# Altium PCB PCB_REV1.PcbDoc (part 2 of 2) (continued)
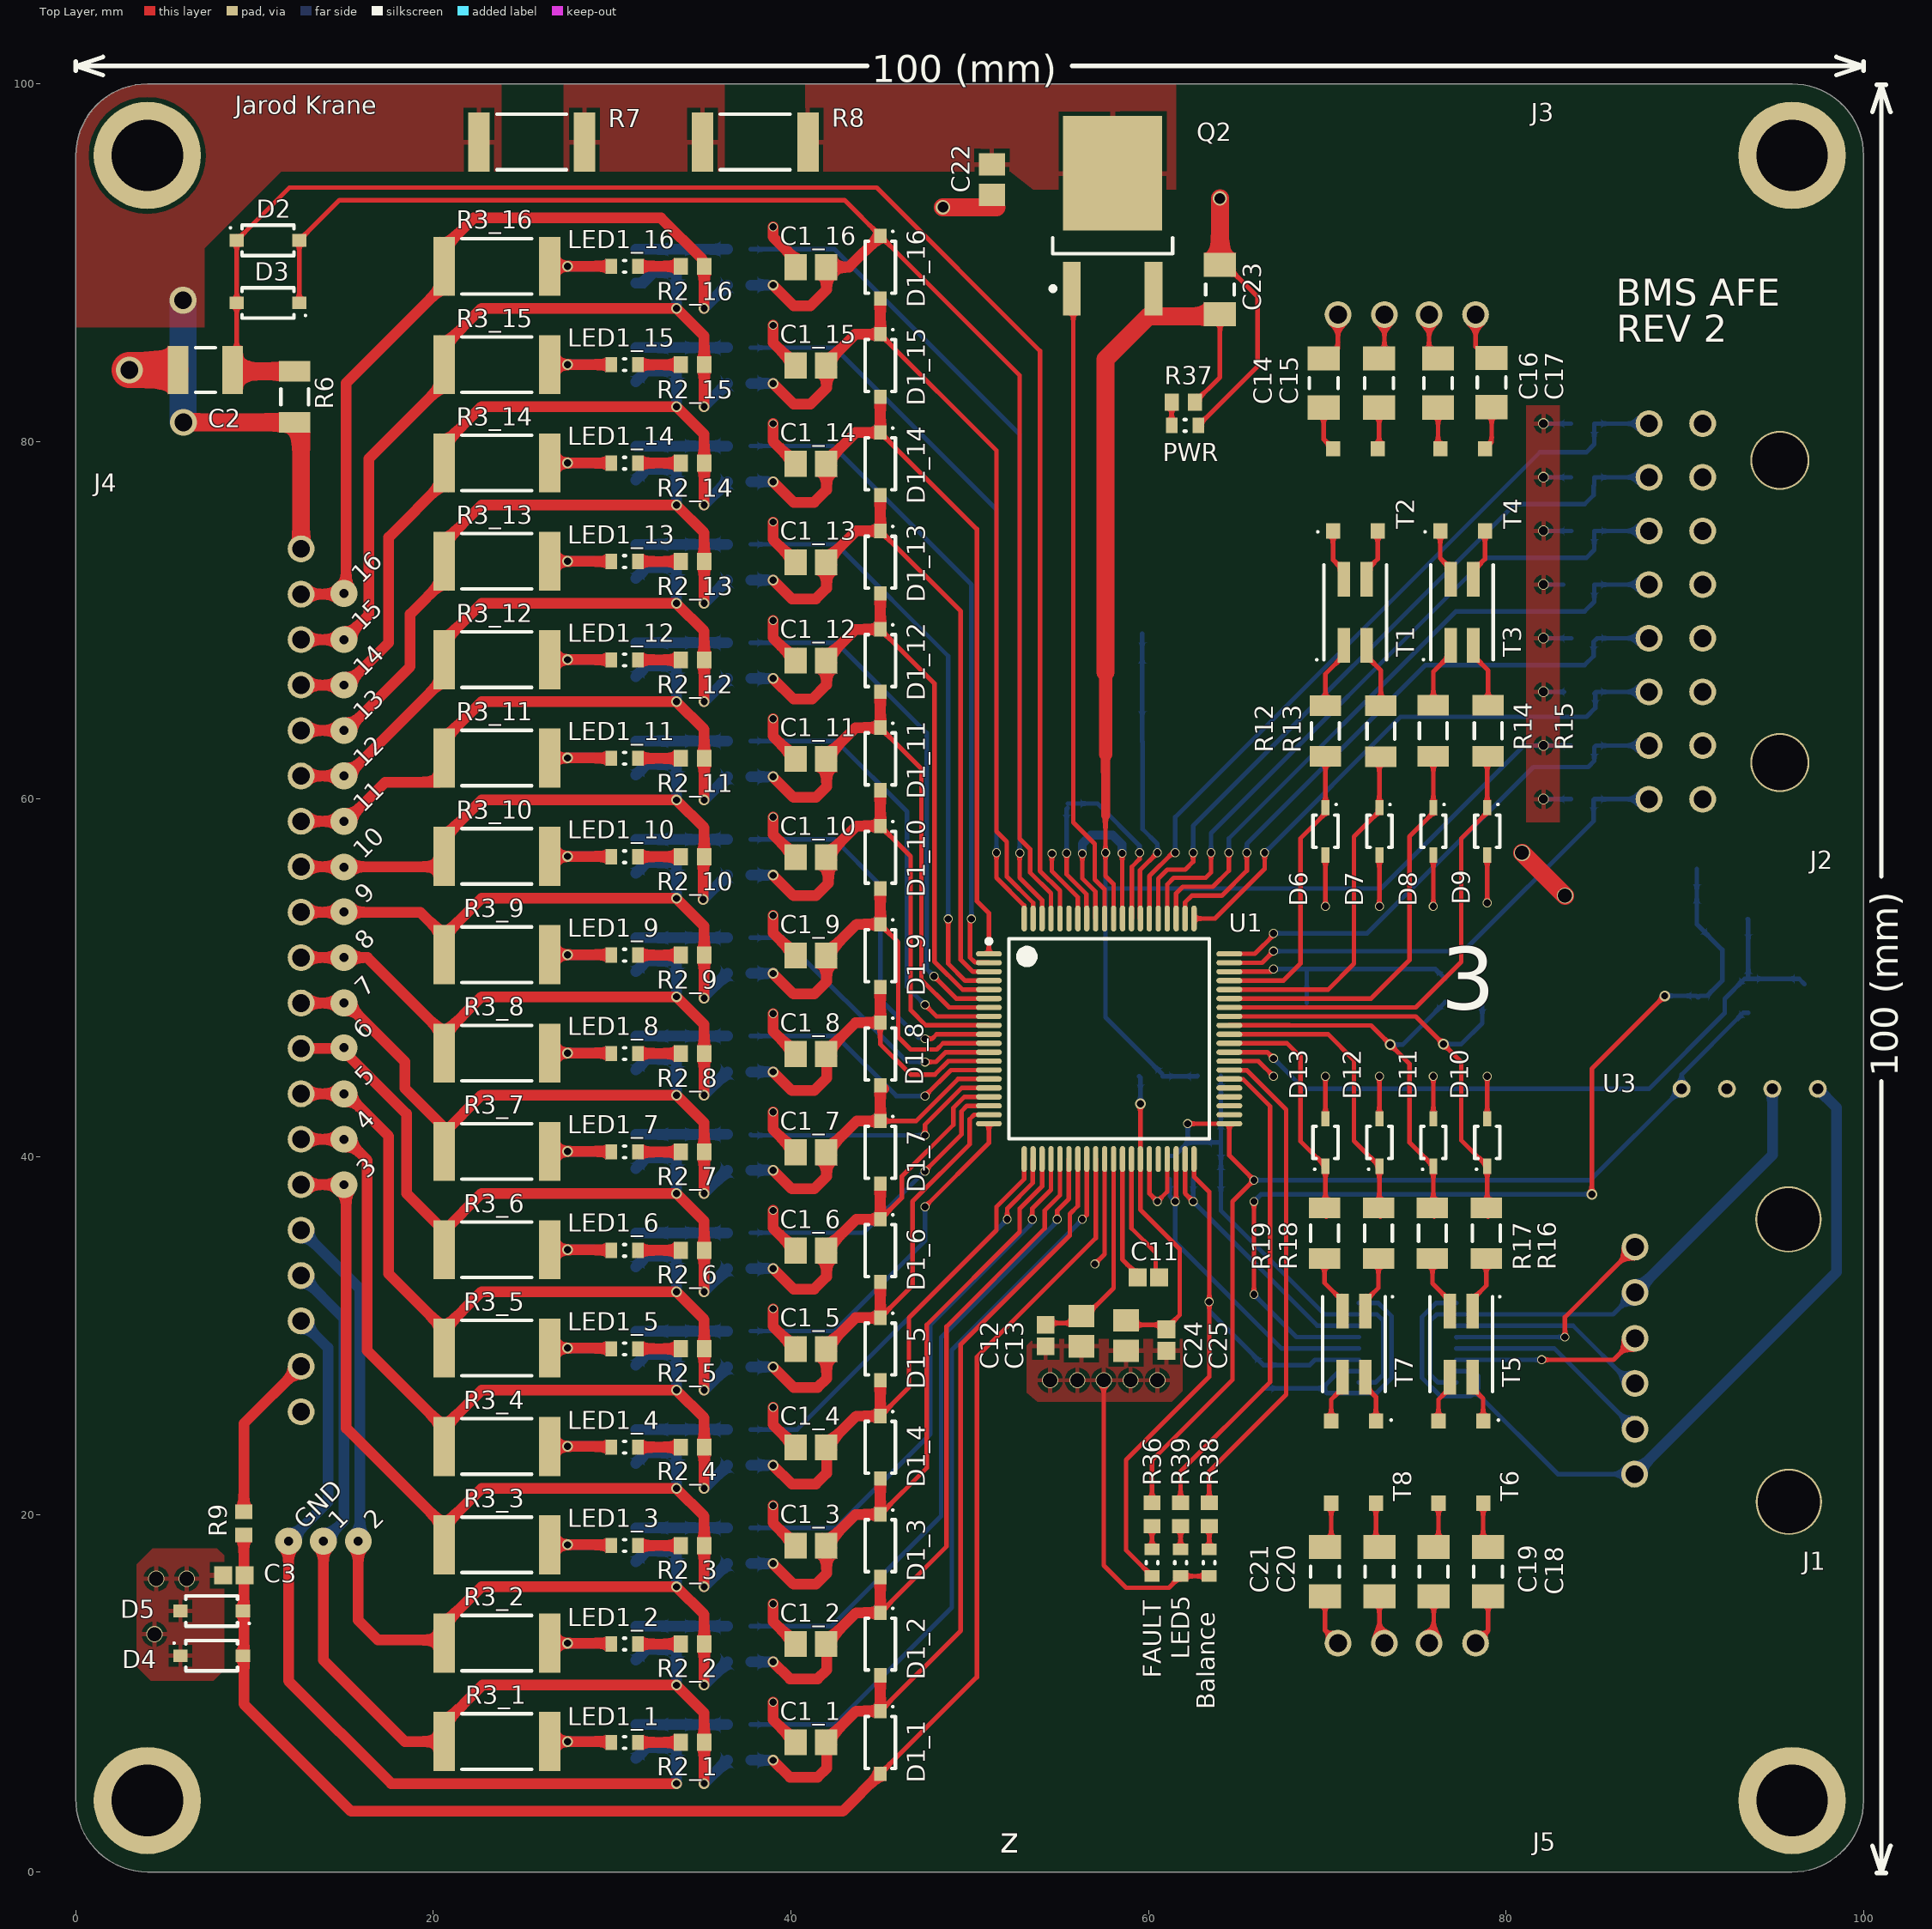
[diagram p0: Top Layer view]
## Nets (pads, with @x,y where several pads share a name; then routed paths per layer and width w, separated by ;. In a path a pad name is that pad's centre, name@x,y a point inside that pad or via, vN(x,y) a via of type N, cw(c..) or ccw(c..) an arc to the next point about the centre after c; other vN are vias at no path point) (continued)
  Bottom Layer w0.6: v1(27.5,40.3) Q1_7.3@28.925,40.3
NetLED1_8_1: LED1_8.1 R2_8.1 | length 2.4
  Top Layer w0.6: LED1_8.1@31.45,45.773 R2_8.1@33.85,45.773
NetLED1_8_2: LED1_8.2 Q1_8.3 R3_8.2 | length 4.9
  Top Layer w0.6: R3_8.2@26.5,45.8 29.925,45.8 LED1_8.2@29.95,45.773 LED1_8.2@29.95,45.75
  Bottom Layer w0.6: v1(27.5,45.8) Q1_8.3@28.925,45.8
NetLED1_9_1: LED1_9.1 R2_9.1 | length 2.4
  Top Layer w0.6: LED1_9.1@31.45,51.277 R2_9.1@33.85,51.277
NetLED1_9_2: LED1_9.2 Q1_9.3 R3_9.2 | length 4.9
  Top Layer w0.6: R3_9.2@26.5,51.3 29.925,51.3 LED1_9.2@29.95,51.277 LED1_9.2@29.95,51.25
  Bottom Layer w0.6: v1(27.5,51.3) Q1_9.3@28.925,51.3
NetLED1_10_1: LED1_10.1 R2_10.1 | length 2.4
  Top Layer w0.6: LED1_10.1@31.45,56.78 R2_10.1@33.85,56.78
NetLED1_10_2: LED1_10.2 Q1_10.3 R3_10.2 | length 4.9
  Top Layer w0.6: R3_10.2@26.5,56.8 29.925,56.8 29.95,56.775 LED1_10.2@29.95,56.75
  Bottom Layer w0.6: v1(27.5,56.8) Q1_10.3@28.925,56.8
NetLED1_11_1: LED1_11.1 R2_11.1 | length 2.4
  Top Layer w0.6: LED1_11.1@31.45,62.283 R2_11.1@33.85,62.283
NetLED1_11_2: LED1_11.2 Q1_11.3 R3_11.2 | length 4.9
  Top Layer w0.6: R3_11.2@26.5,62.3 v1(27.5,62.3) 29.925,62.3 29.95,62.275 LED1_11.2@29.95,62.25
  Bottom Layer w0.6: v1(27.5,62.3) Q1_11.3@28.925,62.3
NetLED1_12_1: LED1_12.1 R2_12.1 | length 2.4
  Top Layer w0.6: LED1_12.1@31.45,67.787 R2_12.1@33.85,67.787
NetLED1_12_2: LED1_12.2 Q1_12.3 R3_12.2 | length 4.9
  Top Layer w0.6: R3_12.2@26.5,67.8 29.925,67.8 29.95,67.775 LED1_12.2@29.95,67.75
  Bottom Layer w0.6: v1(27.5,67.8) Q1_12.3@28.925,67.8
NetLED1_13_1: LED1_13.1 R2_13.1 | length 2.4
  Top Layer w0.6: LED1_13.1@31.45,73.29 R2_13.1@33.85,73.29
NetLED1_13_2: LED1_13.2 Q1_13.3 R3_13.2 | length 4.9
  Top Layer w0.6: R3_13.2@26.5,73.3 29.925,73.3 29.95,73.275 LED1_13.2@29.95,73.25
  Bottom Layer w0.6: v1(27.5,73.3) Q1_13.3@28.925,73.3
NetLED1_14_1: LED1_14.1 R2_14.1 | length 2.4
  Top Layer w0.6: LED1_14.1@31.45,78.793 R2_14.1@33.85,78.793
NetLED1_14_2: LED1_14.2 Q1_14.3 R3_14.2 | length 4.9
  Top Layer w0.6: R3_14.2@26.5,78.8 29.925,78.8 29.95,78.775 LED1_14.2@29.95,78.75
  Bottom Layer w0.6: v1(27.5,78.8) Q1_14.3@28.925,78.8
NetLED1_15_1: LED1_15.1 R2_15.1 | length 2.4
  Top Layer w0.6: LED1_15.1@31.45,84.297 R2_15.1@33.85,84.297
NetLED1_15_2: LED1_15.2 Q1_15.3 R3_15.2 | length 4.9
  Top Layer w0.6: R3_15.2@26.5,84.3 29.925,84.3 29.95,84.275 LED1_15.2@29.95,84.233
  Bottom Layer w0.6: v1(27.5,84.3) Q1_15.3@28.925,84.3
NetLED1_16_1: LED1_16.1 R2_16.1 | length 2.4
  Top Layer w0.6: LED1_16.1@31.45,89.8 R2_16.1@33.85,89.8
NetLED1_16_2: LED1_16.2 Q1_16.3 R3_16.2 | length 4.9
  Top Layer w0.6: R3_16.2@26.5,89.8 29.925,89.8 29.95,89.775 LED1_16.2@29.95,89.75
  Bottom Layer w0.6: v1(27.5,89.8) Q1_16.3@28.925,89.8
NetLED2_1: FAULT.1 R36.1 | length 1.3
  Top Layer w0.254: FAULT.1@60.2,18.051 R36.1@60.2,19.35
NetLED3_1: PWR.1 R37.2 | length 1.3
  Top Layer w0.254: PWR.1@61.3,80.9 R37.2@61.3,82.2
NetLED4_1: Balance.1 R38.2 | length 1.3
  Top Layer w0.254: Balance.1@63.4,18.05 R38.2@63.4,19.35
NetLED5_1: LED5.1 R39.2 | length 1.3
  Top Layer w0.254: LED5.1@61.801,18.05 R39.2@61.8,19.35
NetQ1_1_1: Q1_1.1 R4_1.2 R5_1.2 | length 5.1
  Bottom Layer w0.6: Q1_1.1@31.325,8.25 R5_1.2@33.6,8.25 R4_1.2@36.45,8.25
NetQ1_2_1: Q1_2.1 R4_2.2 R5_2.2 | length 5.1
  Bottom Layer w0.6: Q1_2.1@31.325,13.75 R5_2.2@33.6,13.75 R4_2.2@36.45,13.75
NetQ1_3_1: Q1_3.1 R4_3.2 R5_3.2 | length 5.1
  Bottom Layer w0.6: Q1_3.1@31.325,19.25 R5_3.2@33.6,19.25 R4_3.2@36.45,19.25
NetQ1_4_1: Q1_4.1 R4_4.2 R5_4.2 | length 5.1
  Bottom Layer w0.6: Q1_4.1@31.325,24.75 R5_4.2@33.6,24.75 R4_4.2@36.45,24.75
NetQ1_5_1: Q1_5.1 R4_5.2 R5_5.2 | length 5.1
  Bottom Layer w0.6: Q1_5.1@31.325,30.25 R5_5.2@33.6,30.25 R4_5.2@36.45,30.25
NetQ1_6_1: Q1_6.1 R4_6.2 R5_6.2 | length 5.1
  Bottom Layer w0.6: Q1_6.1@31.325,35.75 R5_6.2@33.6,35.75 R4_6.2@36.45,35.75
NetQ1_7_1: Q1_7.1 R4_7.2 R5_7.2 | length 5.1
  Bottom Layer w0.6: Q1_7.1@31.325,41.25 R5_7.2@33.6,41.25 R4_7.2@36.45,41.25
NetQ1_8_1: Q1_8.1 R4_8.2 R5_8.2 | length 5.1
  Bottom Layer w0.6: Q1_8.1@31.325,46.75 R5_8.2@33.6,46.75 R4_8.2@36.45,46.75
NetQ1_9_1: Q1_9.1 R4_9.2 R5_9.2 | length 5.1
  Bottom Layer w0.6: Q1_9.1@31.325,52.25 R5_9.2@33.6,52.25 R4_9.2@36.45,52.25
NetQ1_10_1: Q1_10.1 R4_10.2 R5_10.2 | length 5.1
  Bottom Layer w0.6: Q1_10.1@31.325,57.75 R5_10.2@33.6,57.75 R4_10.2@36.45,57.75
NetQ1_11_1: Q1_11.1 R4_11.2 R5_11.2 | length 5.1
  Bottom Layer w0.6: Q1_11.1@31.325,63.25 R5_11.2@33.6,63.25 R4_11.2@36.45,63.25
NetQ1_12_1: Q1_12.1 R4_12.2 R5_12.2 | length 5.1
  Bottom Layer w0.6: Q1_12.1@31.325,68.75 R5_12.2@33.6,68.75 R4_12.2@36.45,68.75
NetQ1_13_1: Q1_13.1 R4_13.2 R5_13.2 | length 5.1
  Bottom Layer w0.6: Q1_13.1@31.325,74.25 R5_13.2@33.6,74.25 R4_13.2@36.45,74.25
NetQ1_14_1: Q1_14.1 R4_14.2 R5_14.2 | length 5.1
  Bottom Layer w0.6: Q1_14.1@31.325,79.75 R5_14.2@33.6,79.75 R4_14.2@36.45,79.75
NetQ1_15_1: Q1_15.1 R4_15.2 R5_15.2 | length 5.1
  Bottom Layer w0.6: Q1_15.1@31.325,85.25 R5_15.2@33.6,85.25 R4_15.2@36.45,85.25
NetQ1_16_1: Q1_16.1 R4_16.2 R5_16.2 | length 5.1
  Bottom Layer w0.6: Q1_16.1@31.325,90.75 R5_16.2@33.6,90.75 R4_16.2@36.45,90.75
NetR7_2: R7.2 R8.1
NetR12_2: R12.2 T1.1 | length 3.8
  Top Layer w0.254: R12.2@69.9,65.237 69.9,67 70.93,68.03 T1.1@70.93,68.6
NetR13_2: R13.2 T1.2 | length 3.7
  Top Layer w0.254: T1.2@72.2,68.6 72.2,68 73,67.2 R13.2@73,65.225
NetR14_2: R14.2 T3.1 | length 3.8
  Top Layer w0.254: R14.2@75.933,65.25 75.933,67.133 76.9,68.1 T3.1@76.9,68.6
NetR15_2: R15.2 T3.2 | length 3.7
  Top Layer w0.254: T3.2@78.17,68.6 78.17,68.03 79,67.2 R15.2@79,65.25
NetR16_2: R16.2 T5.1 | length 3.2
  Top Layer w0.254: T5.1@78.135,31.375 78.135,32.035 78.9,32.8 R16.2@78.9,34.3
NetR17_2: R17.2 T5.2 | length 3.3
  Top Layer w0.254: R17.2@75.883,34.3 75.883,32.917 76.865,31.935 T5.2@76.865,31.375
NetR18_2: R18.2 T7.1 | length 3.2
  Top Layer w0.254: T7.1@72.135,31.375 72.135,31.935 72.867,32.667 R18.2@72.867,34.3
NetR19_2: R19.2 T7.2 | length 3.3
  Top Layer w0.254: R19.2@69.85,34.3 69.85,32.95 70.865,31.935 T7.2@70.865,31.375
NetR38_1: R38.1 U1.47 | length 27.2
  Top Layer w0.254: R38.1@63.4,20.65 63.4,22.4 67.7,26.7 67.7,42.642 65.512,44.83 U1.47@65.2,44.83
NetR39_1: R39.1 U1.46 | length 27.2
  Top Layer w0.254: R39.1@61.8,20.65 61.8,22.4 66.8,27.4 66.8,42.829 65.299,44.33 64.545,44.33 U1.46@64.525,44.35
NetT1_3: T1.3 T2.2 | length 3
  Top Layer w0.254: T1.3@72.2,72.3 72.2,72.8 72.825,73.425 T2.2@72.825,75
NetT1_4: T1.4 T2.1 | length 3
  Top Layer w0.254: T2.1@70.325,75 70.325,73.375 70.93,72.77 T1.4@70.93,72.3
NetT3_3: T3.3 T4.2 | length 3
  Top Layer w0.254: T3.3@78.17,72.3 78.17,72.77 78.825,73.425 T4.2@78.825,75
NetT3_4: T3.4 T4.1 | length 1.9
  Top Layer w0.254: T4.1@76.325,75 76.325,73.475 T3.4@76.6,73.2
NetT5_3: T5.3 T6.2 | length 2.7
  Top Layer w0.254: T6.2@76.225,25.225 76.225,26.425 76.865,27.065 T5.3@76.865,27.675
NetT5_4: T5.4 T6.1 | length 2.7
  Top Layer w0.254: T5.4@78.135,27.675 78.135,27.065 78.725,26.475 T6.1@78.725,25.225
NetT7_3: T7.3 T8.2 | length 2.7
  Top Layer w0.254: T8.2@70.225,25.225 70.225,26.425 70.865,27.065 T7.3@70.865,27.675
NetT7_4: T7.4 T8.1 | length 2.7
  Top Layer w0.254: T7.4@72.135,27.675 72.135,27.165 72.725,26.575 T8.1@72.725,25.225
NetU1_36: U1.36
NetU1_42: U1.42
NetU1_43: U1.43
NetU1_44: U1.44
NetU1_45: U1.45
NetU1_46: 
NetU1_47: 
NetU1_75: U1.75
NetU2_1: U2.1
NPNB: Q2.1 U1.71 | length 34.9
  Top Layer w0.254: Q2.1@55.8,87.48 55.8,58.7 57,57.5 57,55.511 57.55,54.961 U1.71@57.55,53.325
OUT: C4.1 U1.68 U1.73 | length 15.9
  Top Layer w0.254: v2(55.425,56.975) 55.425,55.794 56.53,54.689 56.53,53.345 U1.73@56.55,53.325 ; U1.68@59.05,53.325 59.07,53.345 59.07,56.216 59.5,56.646 v2(59.5,57)
  Bottom Layer w0.254: v2(55.425,56.975) 55.425,59.45 C4.1@55.475,59.5 ; C4.1@55.5,59.75 57.15,59.75 59.5,57.4 v2(59.5,57)
RX: R11.1 U1.39 U4.6 | length 16
  Top Layer w0.254: U1.39@62.05,39.875 62.05,37.992 62.058,37.984 62.058,37.957 62.063,37.952 62.063,37.937 v2(62.5,37.5)
  Bottom Layer w0.254: R11.1@62.5,38.8 v2(62.5,37.5) 69.448,30.552 U4.6@71.771,30.552
RX-IN: J1.3 U4.11 | length 11.3
  Bottom Layer w0.254: U4.11@77.221,30.552 83.748,30.552 86.969,27.331 J1.3@87.215,27.331
TOP: C2.2 D2.2 D3.1 R6.1 U1.76 | length 92.6
  Top Layer w0.254: C2.2@8.775,84 8.525,84 9,84.475 D2.2@9,91.25 11.95,94.2 44.8,94.2 53.932,85.068 53.932,55.994 55.05,54.876 U1.76@55.05,53.325
  Top Layer w1: C2.2@8.775,84 8.85,83.925 R6.1@11.5,83.925
TOPCELL: C22.2 Q2.2 R8.2
TOPCELL_1: J4.20 R6.2 R7.1 | length 19.4
  Top Layer w1: v6(6.025,81.075) R6.2@11.5,81.075 ; R6.2@12.2,81 12.6,80.6 J4.20@12.6,74
  Bottom Layer w1.5: v6@6,81.1 v6(6,87.9)
TX: R30.1 U1.38 U4.4 | length 18.8
  Top Layer w0.254: v2(61.5,37.5) 61.55,37.55 U1.38@61.55,39.875
  Bottom Layer w0.254: R30.1@61.2,38.75 61.2,37.8 v2(61.5,37.5) 61.5,35.228 67.446,29.282 U4.4@71.771,29.282
TX-IN: J1.2 U4.13 | length 11.9
  Bottom Layer w0.254: U4.13@77.221,29.282 82.698,29.282 J1.2@87.215,24.765
VCC-IN: J1.5 U3.2 U4.10 U4.16 | length 31.3
  Bottom Layer w0.254: U4.16@77.221,27.377 76.205,27.377 75.757,27.826 75.757,30.824 76.121,31.187 U4.10@77.221,31.187 85.992,31.187 J1.5@87.215,32.411
  Bottom Layer w0.6: J1.5@87.215,32.411 94.9,40.096 U3.2@94.9,43.8
VDIG: C24.2 C25.2 R21.1 U1.34 | length 17.8
  Top Layer w0.254: C24.2@58.8,30.8 59,30.6 C25.2@60.9,30.6 ; v1(59.55,42.962) U1.34@59.55,39.875 59.55,37.05 61.754,34.846 61.754,31.154 61,30.4 C25.2@60.7,30.4
  Bottom Layer w0.254: R21.1@59.487,44.5 59.55,44.437 v1(59.55,42.962)
VIO: C9.2 C10.2 R11.2 R20.2 R30.2 R36.2 U1.41 U2.5 U3.4 U4.1 U4.7 | length 86.4
  Top Layer w0.254: R36.2@60.2,20.65 60.2,23.027 64.7,27.527 64.7,37.495 v2(65.9,38.695) 64.525,40.07 U1.41@64.525,41.85 v2(62.2,41.85)
  Bottom Layer w0.254: R30.2@61.2,40.05 61.45,40.05 62.2,40.8 ; v2(62.2,41.85) 62.2,40.8 ; R20.2@64.05,44.534 64.05,42.85 64,42.8 64.05,42.75 C10.2@64.05,40.8 ; v2(65.9,38.695) 84.715,38.695 U3.4@89.82,43.8 89.82,44.591 93.279,48.05 U2.5@93.55,48.05 ; U4.1@71.771,27.377 72.686,27.377 73.143,27.834 73.143,30.824 72.779,31.187 U4.7@71.771,31.187 69.849,31.187 64.05,36.987 C10.2@64.05,40.8 ; 62.2,40.8 C10.2@64.05,40.8
VM: C12.1 C13.1 U1.31 | length 11.9
  Top Layer w0.254: C12.1@54.3,30.5 54.5,30.7 56.1,30.7 58.05,32.65 U1.31@58.05,39.875
VP: C23.2 Q2.3 R20.1 R21.2 R22.2 R23.2 R24.2 R25.2 R26.2 R27.2 R28.2 R29.2 R37.1 U1.70 | length 99
  Top Layer w0.254: 57.6,59.1 v2(57.6,57) 57.6,55.7 58.05,55.25 U1.70@58.05,53.325 ; R37.1@62.6,82.2 64,83.6 C23.2@64,87.125
  Top Layer w0.5: 57.6,59.1 57.6,62.5
  Top Layer w0.75: 57.6,62.5 57.6,67.1
  Top Layer w1: 57.6,67.1 57.6,84.6 60,87 C23.2@63.75,87
  Bottom Layer w0.254: v2(57.6,57) 57.6,47.8 R21.2@60.75,44.65 ; 57.7,55 73,55 81,63 v5(82.1,63) R28.2@83.642,63 ; R21.2@60.787,44.5 62.716,44.5 R20.1@62.75,44.534 ; v5(82.1,60) R29.2@83.642,60 ; v5(82.1,66) R27.2@83.25,66 ; v5(82.1,69) R26.2@83.65,69 ; v5(82.1,72) 83.2,72 ; v5(82.1,75) R24.2@83.65,75 ; v5(82.1,78) R23.2@83.642,78 ; v5(82.1,81) R22.2@83.642,81
VREF: C6.1 C7.1 U1.67 | length 16.7
  Top Layer w0.254: U1.67@59.55,53.325 59.53,53.345 59.53,56.03 v2(60.5,57)
  Bottom Layer w0.254: C7.1@59.65,69.25 59.65,66.4 59.65,63.225 59.675,63.2 59.675,58.325 60.5,57.5 v2(60.5,57)
VSNS0: C3.2 D1_1.1 D4.1 D5.2 R9.1 U1.29 | length 87.8
  Top Layer w0.254: D1_1.1@45,5.5 50.4,10.9 50.4,28.8 57.05,35.45 U1.29@57.05,39.875
  Top Layer w0.6: R9.1@9.4,18.85 9.4,9.4 15.4,3.4 42.9,3.4 D1_1.1@45,5.5
VSNS1: C1_1.2 D1_1.2 D1_2.1 R1_1.1 U1.27 | length 47.5
  Top Layer w0.254: D1_1.2@45,9 49.5,13.5 49.5,29.5 55.6,35.6 55.6,36.8 56.05,37.25 U1.27@56.05,39.875
  Top Layer w0.6: v1(39,6.25) 39.95,5.3 41.5,5.3 42,5.8 42,7.35 43.65,9 D1_1.2@45,9 D1_2.1@45,11
  Bottom Layer w0.6: R1_1.1@37.75,6.25 v1(39,6.25)
VSNS2: C1_2.2 D1_2.2 D1_3.1 R1_2.1 U1.25 | length 41.6
  Top Layer w0.254: D1_2.2@45,14.5 48.7,18.2 48.7,30.5 54.2,36 54.2,37 55.05,37.85 U1.25@55.05,39.875
  Top Layer w0.6: v1(39,11.75) 39.95,10.8 41.5,10.8 42,11.3 42,12.85 43.65,14.5 D1_2.2@45,14.5 D1_3.1@45,16.5
  Bottom Layer w0.6: R1_2.1@37.75,11.75 v1(39,11.75)
VSNS3: C1_3.2 D1_3.2 D1_4.1 R1_3.1 U1.23 | length 35.9
  Top Layer w0.254: D1_3.2@45,20 47.6,22.6 47.6,30.6 52.8,35.8 52.8,37.1 54.05,38.35 U1.23@54.05,39.875
  Top Layer w0.6: v1(39,17.25) 40.15,16.1 41.4,16.1 42,16.7 42,18.375 43.625,20 D1_3.2@45,20 D1_4.1@45,22
  Bottom Layer w0.6: R1_3.1@37.75,17.25 v1(39,17.25)
VSNS4: C1_4.2 D1_4.2 D1_5.1 R1_4.1 U1.21 | length 29.9
  Top Layer w0.254: D1_4.2@45,25.5 46.6,27.1 46.6,31 51.5,35.9 51.5,37.2 53.05,38.75 U1.21@53.05,39.875
  Top Layer w0.6: v1(39,22.75) 40.05,21.7 41.4,21.7 42,22.3 42,23.85 43.65,25.5 D1_4.2@45,25.5 D1_5.1@45,27.5
  Bottom Layer w0.6: R1_4.1@37.75,22.75 v1(39,22.75)
VSNS5: C1_5.2 D1_5.2 D1_6.1 R1_5.1 U1.19 | length 26.7
  Top Layer w0.254: D1_5.2@45,31 46.8,32.8 46.8,37.5 50,40.7 50,42.1 50.25,42.35 U1.19@51.075,42.35
  Top Layer w0.6: v1(39,28.25) 40.15,27.1 41.5,27.1 42,27.6 42,29.375 43.625,31 D1_5.2@45,31 D1_6.1@45,33
  Bottom Layer w0.6: R1_5.1@37.75,28.25 v1(39,28.25)
VSNS6: C1_6.2 D1_6.2 D1_7.1 R1_6.1 U1.17 | length 22.4
  Top Layer w0.254: D1_6.2@45,36.5 46.2,37.7 46.2,38.9 49.086,41.786 49.086,42.732 49.704,43.35 U1.17@51.075,43.35
  Top Layer w0.6: v1(39,33.75) 40.15,32.6 41.3,32.6 42,33.3 42,34.85 43.65,36.5 D1_6.2@45,36.5 D1_7.1@45,38.5
  Bottom Layer w0.6: R1_6.1@37.75,33.75 v1(39,33.75)
VSNS7: C1_7.2 D1_7.2 D1_8.1 R1_7.1 U1.15 | length 19.4
  Top Layer w0.254: D1_7.2@45,42 47,42 49.35,44.35 U1.15@51.075,44.35
  Top Layer w0.6: v1(39,39.25) 40.05,38.2 41.3,38.2 42,38.9 42,40.325 43.675,42 D1_7.2@45,42 D1_8.1@45,44 D1_8.1@45.2,43.8
  Bottom Layer w0.6: R1_7.1@37.75,39.25 v1(39,39.25)
VSNS8: C1_8.2 D1_8.2 D1_9.1 R1_8.1 U1.13 | length 20.4
  Top Layer w0.254: D1_8.2@45,47.5 45,46.3 46.7,44.6 48.054,44.6 48.804,45.35 U1.13@51.075,45.35
  Top Layer w0.6: v1(39,44.75) 40.05,43.7 41.3,43.7 42,44.4 42,45.875 43.625,47.5 D1_8.2@45,47.5 D1_9.1@45,49.5
  Bottom Layer w0.6: R1_8.1@37.75,44.75 v1(39,44.75)
VSNS9: C1_9.2 D1_9.2 D1_10.1 R1_9.1 U1.11 | length 24.5
  Top Layer w0.254: D1_9.2@45,53 46,52 46,46.7 46.7,46 48.161,46 48.511,46.35 U1.11@51.075,46.35
  Top Layer w0.6: v1(39,50.25) 40.15,49.1 41.3,49.1 42,49.8 42,51.325 43.675,53 D1_9.2@45,53 D1_10.1@45,55
  Bottom Layer w0.6: R1_9.1@37.75,50.25 v1(39,50.25)
VSNS10: C1_10.2 D1_10.2 D1_11.1 R1_10.1 U1.9 | length 28
  Top Layer w0.254: D1_10.2@45,58.5 46.7,56.8 46.7,48.2 47.55,47.35 U1.9@51.075,47.35
  Top Layer w0.6: v1(39,55.75) 40.15,54.6 41.4,54.6 42.1,55.3 42.1,56.925 43.675,58.5 D1_10.2@45,58.5 D1_11.1@45,60.5
  Bottom Layer w0.6: R1_10.1@37.75,55.75 v1(39,55.75)
VSNS11: C1_11.2 D1_11.2 D1_12.1 R1_11.1 U1.7 | length 31.8
  Top Layer w0.254: D1_11.2@45,64 47.3,61.7 47.3,49.9 48.85,48.35 U1.7@51.075,48.35
  Top Layer w0.6: v1(39,61.25) 40.15,60.1 41.4,60.1 42,60.7 42,62.375 43.625,64 D1_11.2@45,64 D1_12.1@45,66
  Bottom Layer w0.6: R1_11.1@37.75,61.25 v1(39,61.25)
VSNS12: C1_12.2 D1_12.2 D1_13.1 R1_12.1 U1.5 | length 35.7
  Top Layer w0.254: D1_12.2@45,69.5 48.024,66.476 48.024,50.93 49.604,49.35 U1.5@51.075,49.35
  Top Layer w0.6: v1(39,66.75) 40.15,65.6 41.2,65.6 42,66.4 42,67.875 43.625,69.5 D1_12.2@45,69.5 ; D1_12.2@45,69.5 D1_13.1@45,71.5
  Bottom Layer w0.6: R1_12.1@37.75,66.75 v1(39,66.75)
VSNS13: C1_13.2 D1_13.2 D1_14.1 R1_13.1 U1.3 | length 39.9
  Top Layer w0.254: D1_13.2@45,75 49.5,70.5 49.5,51.025 50.175,50.35 U1.3@51.075,50.35
  Top Layer w0.6: v1(39,72.25) 40.05,71.2 41.4,71.2 42,71.8 42,73.35 43.65,75 D1_13.2@45,75 D1_14.1@45,77
  Bottom Layer w0.6: R1_13.1@37.75,72.25 v1(39,72.25)
VSNS14: C1_14.2 D1_14.2 D1_15.1 R1_14.1 U1.1 | length 43.9
  Top Layer w0.254: D1_14.2@45,80.5 50.4,75.1 50.4,54.3 51.075,53.625 U1.1@51.075,51.35
  Top Layer w0.6: v1(39,77.75) 40.15,76.6 41.3,76.6 42,77.3 42,78.875 43.625,80.5 D1_14.2@45,80.5 D1_15.1@45,82.5
  Bottom Layer w0.6: R1_14.1@37.75,77.75 v1(39,77.75)
VSNS15: C1_15.2 D1_15.2 D1_16.1 R1_15.1 U1.79 | length 48.4
  Top Layer w0.254: D1_15.2@45,86 51.5,79.5 51.5,58.2 52.08,57.62 52.08,55.666 53.55,54.196 U1.79@53.55,53.325
  Top Layer w0.6: v1(39,83.25) 40.15,82.1 41.1,82.1 42,83 42,84.4 43.6,86 D1_15.2@45,86 D1_16.1@45,88
  Bottom Layer w0.6: R1_15.1@37.75,83.25 v1(39,83.25)
VSNS16: C1_16.2 D1_16.2 D2.1 D3.2 R1_16.1 U1.77 | length 90
  Top Layer w0.254: D3.2@12.5,87.75 D2.1@12.5,91.25 14.75,93.5 43,93.5 D1_16.2@45,91.5 52.8,83.7 52.8,57.795 53.38,57.215 53.38,55.9 54.55,54.73 U1.77@54.55,53.325
  Top Layer w0.6: v1(39,88.75) 40.15,87.6 41.1,87.6 42,88.5 C1_16.2@42,89.75 ; C1_16.2@41.975,89.75 C1_16.2@42,89.75 ; D1_16.2@45,91.5 43.25,89.75 C1_16.2@42,89.75
  Bottom Layer w0.6: R1_16.1@37.75,88.75 v1(39,88.75)
WAKE-IN: J1.6 U4.12 | length 12.7
  Top Layer w0.254: v2(83.3,29.917) 83.3,31.036 J1.6@87.215,34.951
  Bottom Layer w0.254: U4.12@77.221,29.917 77.238,29.9 77.256,29.917 v2(83.3,29.917)
WAKE-ISO: 
wakepin: R10.1 R31.2 U2.2 U4.5 | length 54.4
  Top Layer w0.254: v2(65.9,37.5) 65.9,32.303 v2(65.903,32.3) ; v1(84.8,37.902) 84.8,44.923 v1(88.877,49)
  Bottom Layer w0.254: v2(65.9,37.5) 66.302,37.902 v1(84.8,37.902) ; v2(65.903,32.3) 68.286,29.917 U4.5@71.771,29.917 ; v1(88.877,49) 90.65,49 90.75,48.9 U2.2@90.85,49 91.25,49 92.1,49.85 92.1,51.576 90.675,53.001 R31.2@90.675,53.3 R10.1@90.675,56.1
WAKEUP: R31.1 R32.1 U1.49 U2.4 | length 39.5
  Top Layer w0.254: U1.49@64.525,45.85 66.65,45.85 v2(67,45.5)
  Bottom Layer w0.254: v2(67,45.5) 68.7,43.8 88,43.8 92.233,48.033 92.233,48.837 93.346,49.95 U2.4@93.55,49.95 ; R31.1@93.525,53.3 93.55,53.275 U2.4@93.55,49.95 ; R32.1@96.7,49.65 96.4,49.95 U2.4@93.55,49.95
pads on no net: J1.7 J1.8 J2.27

## Polygon pours and split planes (outlines as drawn)
TOPCELL_1 on Top Layer "TOPCELL_1_L01_P074" (solid, pour order 74): 23.8,95.1 23.8,100 4,100 ccw(c4.044,95.956) 0,96 0,86.4 7.2,86.4 7.2,90.8 11.5,95.1
TOPCELL on Top Layer "TOPCELL_L01_P064" (solid, remove dead copper, pour order 64): 46,100 53.55,94.1 61.55,94.1 61.55,100
TOPCELL on Top Layer "TOPCELL_L01_P054" (solid, remove dead copper, pour order 54): 40.8,95.1 58.4,95.1 58.4,100 40.8,100
NetR7_2 on Top Layer "NETR7_2_L01_P052" (solid, remove dead copper, pour order 52): 27.3,100 27.3,95.1 36.3,95.1 36.3,100
GND on Top Layer "GND" (solid, remove dead copper, pour order 50): 4.3,18.1 3.4,17.2 3.4,11.5 4.2,10.7 7.7,10.7 8.3,11.3 8.3,17.7 7.9,18.1
VP on Top Layer "VP" (solid, remove dead copper, pour order 48): 81.139,82.021 81.138,58.721 83,58.721 83,82.021
GND on Top Layer "GND" (solid, remove dead copper, pour order 46): 61.302,26.3 61.902,26.9 61.902,29.8 53.548,29.8 53.202,29.454 53.202,26.8 53.8,26.3
GND on Bottom Layer "GND_L02_P072" (solid, remove dead copper, pour order 72): 96,0 ccw(c96,4) 100,4 100,96 ccw(c96,96) 96,100 4,100 ccw(c4,96) 0,96 0,4 ccw(c4,4) 4,0
no net on Bottom Layer "NONET_L02_P070" (solid, pour order 70): 98.7,1.5
no net on Bottom Layer "NONET_L02_P068" (solid, pour order 68): 100,4
no net on Bottom Layer "NONET_L02_P066" (solid, pour order 66): 86.8,0

## Other copper
Bottom Layer:
  pour cut-out: 29.679,84.854 29.679,83.746 31.187,83.746 31.187,84.854
  pour cut-out: 29.679,79.354 29.679,78.246 31.187,78.246 31.187,79.354
  pour cut-out: 29.679,73.854 29.679,72.746 31.187,72.746 31.187,73.854
  pour cut-out: 29.679,68.354 29.679,67.246 31.187,67.246 31.187,68.354
  pour cut-out: 29.679,62.854 29.679,61.746 31.187,61.746 31.187,62.854
  pour cut-out: 29.679,57.354 29.679,56.246 31.187,56.246 31.187,57.354
  pour cut-out: 29.679,51.854 29.679,50.746 31.187,50.746 31.187,51.854
  pour cut-out: 29.679,46.354 29.679,45.246 31.187,45.246 31.187,46.354
  pour cut-out: 29.679,40.854 29.679,39.746 31.187,39.746 31.187,40.854
  pour cut-out: 29.679,35.354 29.679,34.246 31.187,34.246 31.187,35.354
  pour cut-out: 29.679,29.854 29.679,28.746 31.187,28.746 31.187,29.854
  pour cut-out: 29.679,24.354 29.679,23.246 31.187,23.246 31.187,24.354
  pour cut-out: 29.679,18.854 29.679,17.746 31.187,17.746 31.187,18.854
  pour cut-out: 29.679,13.354 29.679,12.246 31.187,12.246 31.187,13.354
  pour cut-out: 29.679,7.854 29.679,6.746 31.187,6.746 31.187,7.854
  pour cut-out: 67.337,39.304 64.379,39.304 64.3,38.725 64.188,37.902 66.138,37.902
  pour cut-out: 54.9,36.5 53.472,36.5 52.2,35.228 53.7,35.228
  pour cut-out: 100,38.6 100,45.821 93.75,45.821 93.75,42.712 91.671,42.712 90.087,44.1 81.604,44.1 81.604,38.6
  pour cut-out: 72.575,53.05 72.575,51.1 74.825,51.1 74.825,52.3 74.825,55.3
  pour cut-out: 81.604,38.6 81.604,11 100,11 100,38.6
  pour cut-out: 78.3,82 78.3,58.365 87.365,58.365 88,59 88,82
  pour cut-out: 67.432,98.1 67.432,60.724 73.806,54.35 81.306,61.85 81.7,61.85 81.7,98.1
  pour cut-out: 67.438,2.025 81.7,2.025 81.7,44.1 67.325,44.1
  pour cut-out: 65.486,55.25 57.886,55.25 56.803,57.4 64.5,57.041
  pour cut-out: 50.1,56.4 51.5,57.8 52.8,57.8 52.8,77.25 50.1,72
  pour cut-out: 29.546,90.354 29.546,89.246 31.054,89.246 31.054,90.354

## Silkscreen, mask and mechanical layers (free items; w line width, h text height)
Top Overlay:
  lines w0.254: 0,100.746 0,101.254 ; 1.524,100.492 0,101 ; 1.524,101.508 0,101 ; 44.261,101 0,101 ; 55.739,101 100,101 ; 98.476,100.492 100,101 ; 98.476,101.508 100,101 ; 100,100.746 100,101.254 ; 100.492,1.474 101,-0.05 ; 100.492,98.426 101,99.95 ; 100.746,-0.05 101.254,-0.05 ; 100.746,99.95 101.254,99.95 ; 101,44.211 101,-0.05 ; 101,55.689 101,99.95 ; 101.508,1.474 101,-0.05 ; 101.508,98.426 101,99.95
  text "100 (mm)" at 44.515,100.086 h1.52
  text "Jarod Krane" at 8.9,98.308 h1
  text "BMS AFE" at 86.15,87.6 h1.52
  text "REV 2" at 86.175,85.575 h1.52
  text "16" at 16,72 h1 r45
  text "15" at 16,69.35 h1 r45
  text "14" at 16.1,66.8 h1 r45
  text "13" at 16.1,64.3 h1 r45
  text "12" at 16.1,61.7 h1 r45
  text "11" at 16.1,59.2 h1 r45
  text "10" at 16.1,56.6 h1 r45
  text "9" at 16.2,54.1 h1 r45
  text "8" at 16.2,51.5 h1 r45
  text "7" at 16.2,48.9 h1 r45
  text "3" at 76.35,47.1 h6
  text "6" at 16.1,46.5 h1 r45
  text "100 (mm)" at 101.914,44.465 h1.52 r90
  text "5" at 16.2,43.9 h1 r45
  text "4" at 16.2,41.4 h1 r45
  text "3" at 16.3,38.75 h1 r45
  text "GND" at 12.8,19.1 h1 r45
  text "1" at 14.7,19.1 h1 r45
  text "2" at 16.7,19.1 h1 r45
  text "z" at 51.7,0.6 h2.5
Bottom Overlay:
  lines w0.254: 89.4,58.8 89.4,82.2 ; 74.5,18.3 100,18.3 100,44.9 93.8,44.9 93.8,42.7 87.9,36.8 74.5,36.8 74.5,18.3 ; 86.9,58.8 92.2,58.8 92.2,82.2 86.9,82.2 86.9,58.8
  text "FAULTH+" at 70.1,88.5 h1 r270
  text "FAULTH-" at 72.7,88.5 h1 r270
  text "COMMH+" at 75.2,88.5 h1 r270
  text "COMMH-" at 77.8,88.5 h1 r270
  text "THERMISTOR" at 87.5,82.8 h1 r270
  text "GND" at 90.4,82.8 h1 r270
  text "Top" at 10.7,73.667 h1
  text "CELL16" at 10.7,70.96 h1
  text "CELL15" at 10.7,68.42 h1
  text "CELL14" at 10.7,65.88 h1
  text "CELL13" at 10.7,63.34 h1
  text "CELL12" at 10.7,60.8 h1
  text "CELL11" at 10.7,58.26 h1
  text "CELL10" at 10.7,55.72 h1
  text "CELL9" at 10.7,53.18 h1
  text "CELL8" at 10.7,50.64 h1
  text "CELL7" at 10.7,48.1 h1
  text "CELL6" at 10.7,45.56 h1
  text "CELL5" at 10.7,43.02 h1
  text "5V-HV" at 90.3,42.3 h1 r45
  text "5V-LV" at 95.6,42.3 h1 r45
  text "CELL4" at 10.7,40.48 h1
  text "CELL3" at 10.7,37.94 h1
  text "CELL2" at 10.7,35.4 h1
  text "CELL1" at 10.7,32.86 h1
  text "WAKEUP" at 96.9,31.6 h1
  text "CELL0" at 10.7,30.32 h1
  text "VIO" at 96.9,30.1 h1
  text "FAULT_N" at 96.9,28.6 h1
  text "BOTTOM" at 10.7,27.78 h1
  text "RX" at 96.9,27.1 h1
  text "TX" at 96.9,25.6 h1
  text "GND" at 10.7,25.24 h1
  text "GND" at 96.9,24.1 h1
  text "GLV" at 79.8,19.4 h1.52
  text "HV" at 85.3,16 h1.52
  text "FAULTL+" at 70.1,4.6 h1 r270
  text "FAULTL-" at 72.7,4.6 h1 r270
  text "COMML+" at 75.2,4.6 h1 r270
  text "COMML-" at 77.8,4.6 h1 r270
Board outline:
  the board outline again, w0.254